# KiCad board ulx4m_panel.kicad_pcb (continued)
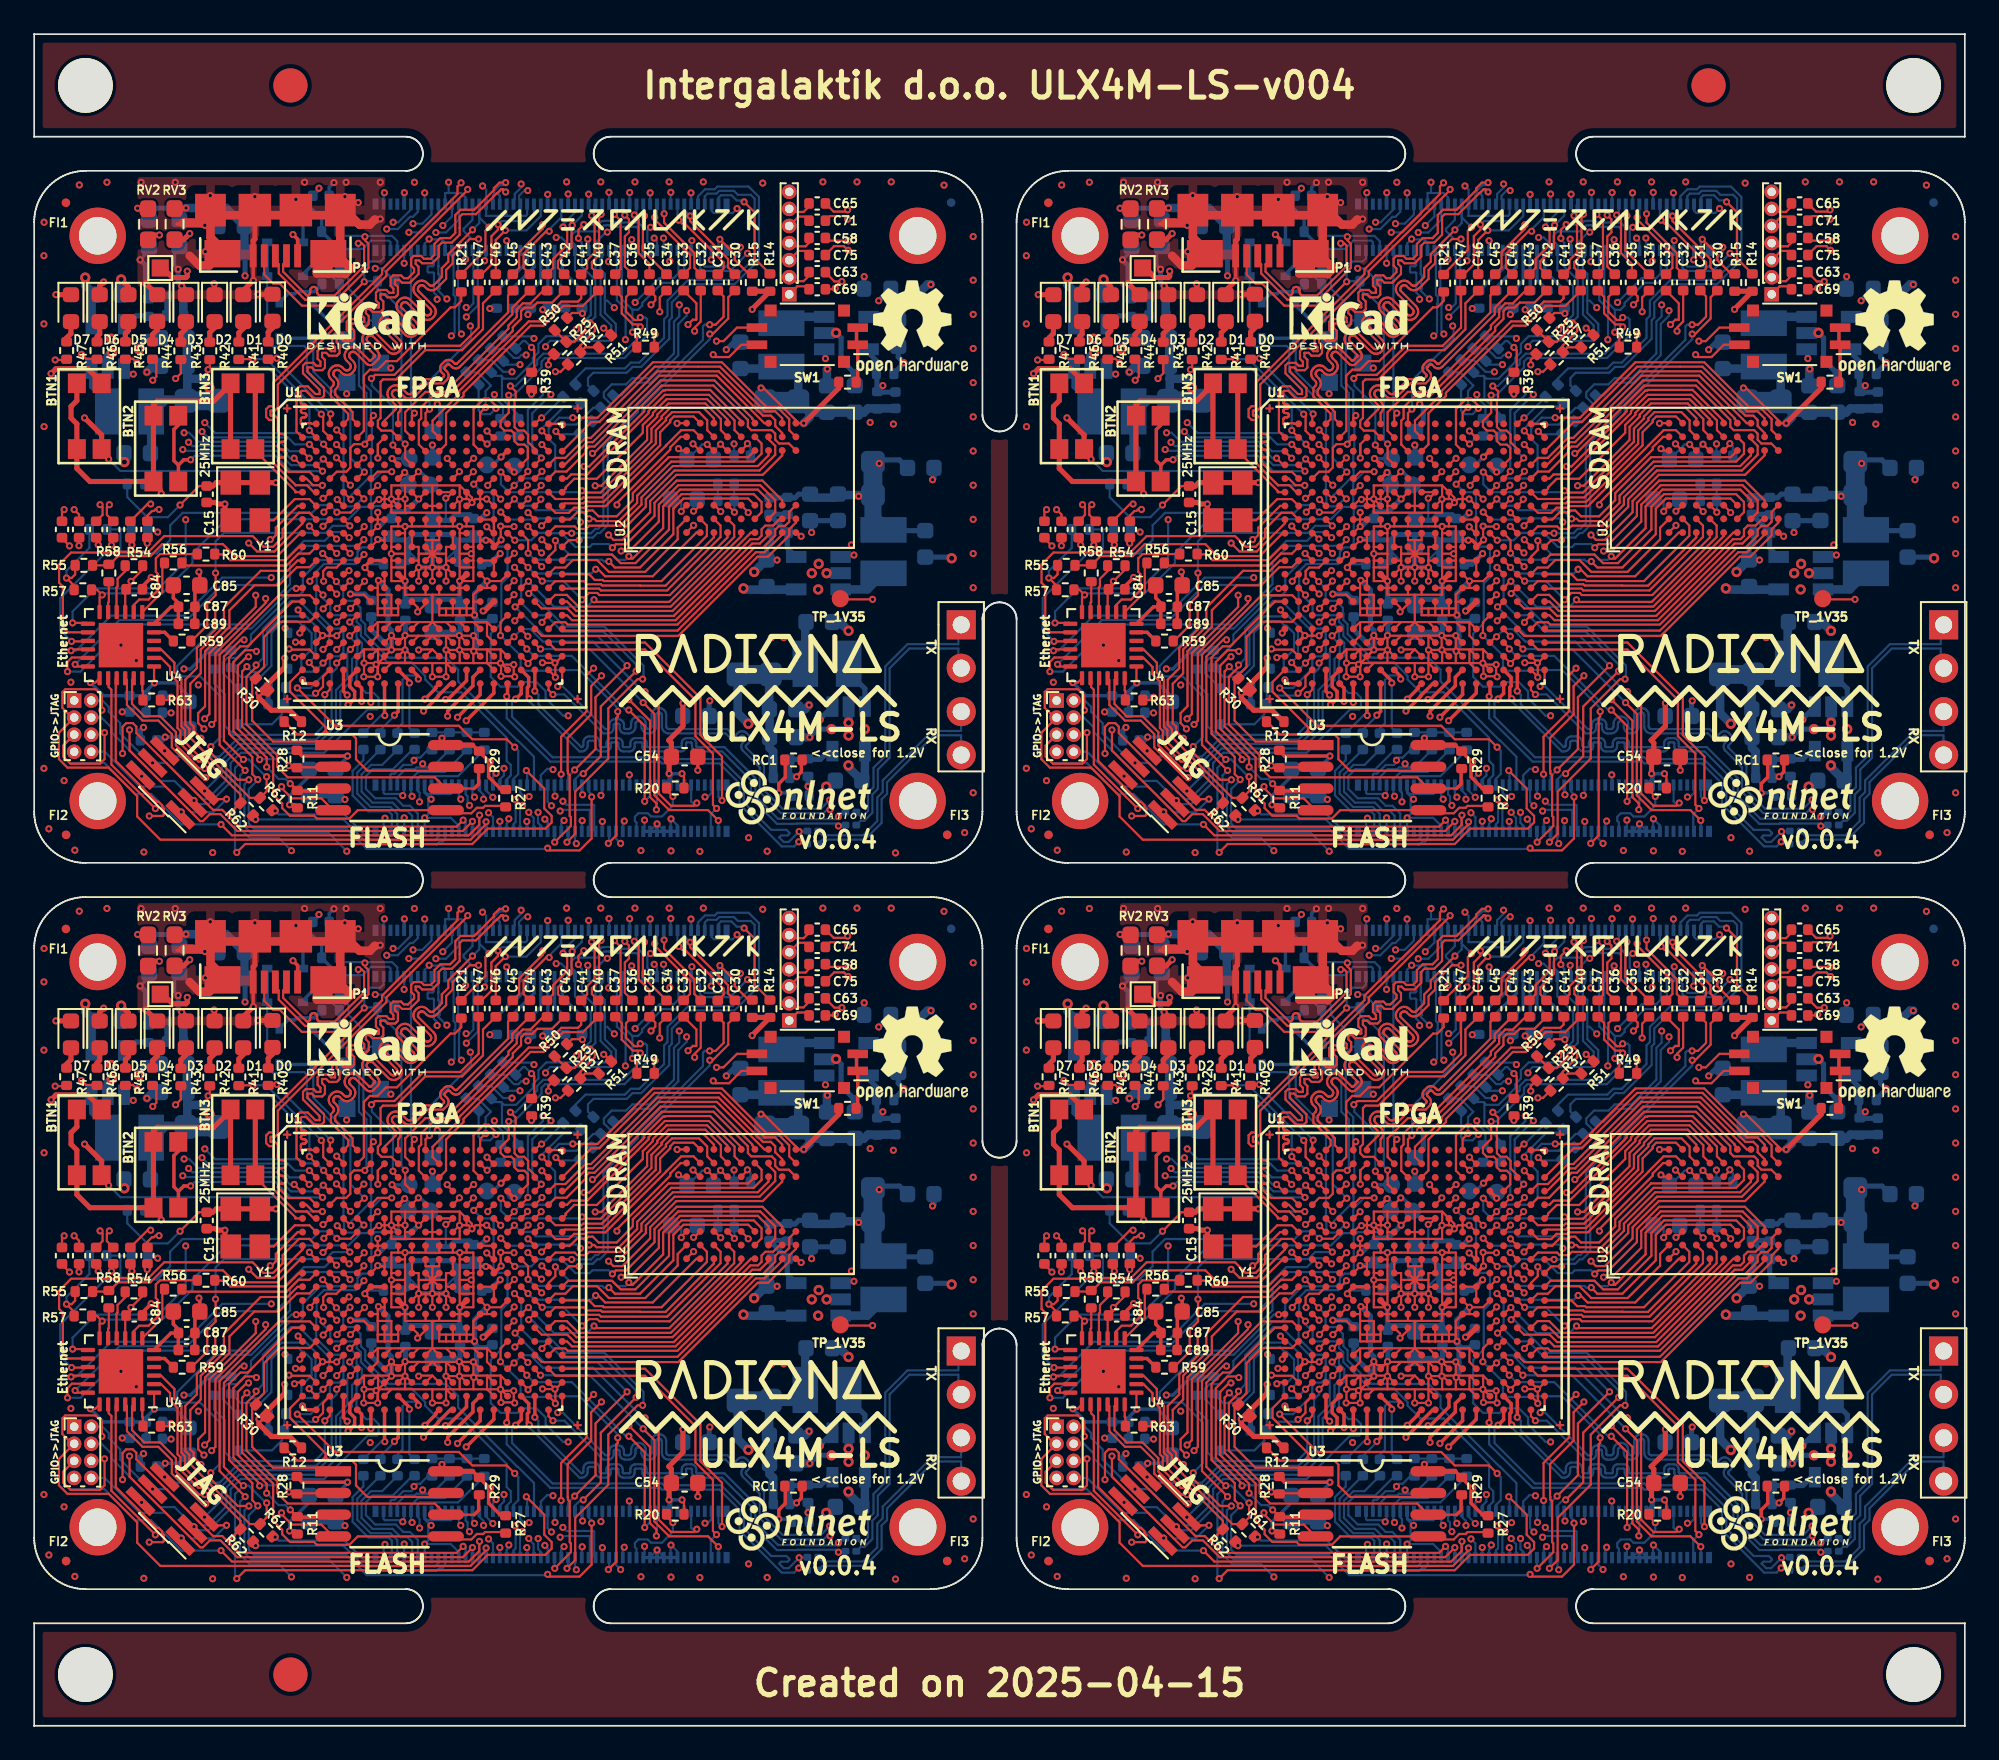
[diagram p0: board, top side]
## Routing (per net, layer and track width the routed paths; a pad name or vN(x,y) marks a point on that pad's centre or on a via; arc(x,y) is an arc through that point) (continued)
  Bottom w0.127: v1(83.17,45.05) 83.57,45.45 J2.30 83.57,45.77 v1(84.14,45.2)
Board_3-CAM0_D1_N: length 32
  Top w0.127: U1.B1 72.87,33.25 72.87,35.69 73.07,35.89 73.53,35.89 73.98,35.44 74.22,35.44 74.22,35.68 73.25,36.65 73.25,37.11 73.41,37.27 73.86,37.27 74.03,37.1 74.27,37.1 74.27,37.33 74.1,37.5 74.1,37.96 74.26,38.12 74.71,38.12 74.88,37.95 75.12,37.95 75.12,37.95 75.12,38.19 74.95,38.36 74.95,38.81 75.11,38.97 75.57,38.97 75.74,38.8 75.98,38.8 75.98,38.8 75.98,39.04 75.81,39.21 75.81,39.67 75.97,39.83 76.42,39.83 76.59,39.66 76.83,39.66 76.83,39.66 76.83,39.9 76.66,40.07 76.66,40.52 76.82,40.68 77.28,40.68 77.45,40.51 77.68,40.51 77.69,40.51 77.69,40.75 77.52,40.92 77.52,41.38 77.67,41.53 78.13,41.53 78.3,41.36 78.54,41.36 78.54,41.37 78.54,41.61 78.37,41.78 78.37,42.23 78.53,42.39 78.98,42.39 79.15,42.22 79.39,42.22 79.75,42.58 79.75,42.78 79.58,42.95 79.58,43.37 79.74,43.53 80.16,43.53 80.33,43.36 80.53,43.36 80.53,43.36 80.71,43.36 80.94,43.59 80.94,44.23 81.28,44.57 81.86,44.57 82.16,44.87 82.16,45.92 82.47,46.23 83.27,46.23 83.37,46.33 84.42,47.38 84.42,47.49 84.75,47.81 v1(85.11,47.81)
  Bottom w0.127: J2.34 84.37,47.05 84.44,47.12 84.44,47.34 84.77,47.67 84.96,47.67 v1(85.11,47.81)
Board_3-CAM0_D1_P: length 32
  Top w0.127: U1.A2 73.76,33.7 73.72,33.74 73.39,33.74 73.31,33.66 73.17,33.66 73.12,33.71 73.12,33.95 73.12,33.97 73.13,34 73.15,34.03 73.17,34.05 73.19,34.06 73.22,34.07 73.25,34.07 73.32,34.07 73.35,34.08 73.38,34.09 73.4,34.1 73.42,34.12 73.44,34.14 73.45,34.17 73.45,34.2 73.45,34.23 73.44,34.26 73.42,34.28 73.4,34.3 73.38,34.31 73.35,34.32 73.32,34.33 73.25,34.33 73.22,34.33 73.19,34.34 73.17,34.35 73.15,34.37 73.13,34.4 73.12,34.43 73.12,34.45 73.12,34.48 73.13,34.51 73.15,34.53 73.17,34.55 73.19,34.57 73.22,34.58 73.25,34.58 73.32,34.58 73.35,34.58 73.38,34.59 73.4,34.61 73.42,34.63 73.44,34.65 73.45,34.68 73.45,34.71 73.45,34.74 73.44,34.76 73.42,34.79 73.4,34.81 73.38,34.82 73.35,34.83 73.32,34.83 73.25,34.83 73.22,34.84 73.19,34.85 73.17,34.86 73.15,34.88 73.13,34.91 73.12,34.93 73.12,34.96 73.12,35.57 73.18,35.63 73.42,35.63 73.87,35.18 74.33,35.18 74.48,35.33 74.48,35.79 73.51,36.76 73.51,37 73.51,37 73.75,37 73.92,36.83 74.38,36.83 74.53,36.99 74.53,37.44 74.36,37.61 74.36,37.85 74.37,37.85 74.6,37.85 74.77,37.68 75.23,37.68 75.39,37.84 75.39,38.3 75.22,38.47 75.22,38.71 75.22,38.71 75.46,38.71 75.63,38.54 76.08,38.54 76.24,38.7 76.24,39.15 76.07,39.32 76.07,39.56 76.07,39.56 76.31,39.56 76.48,39.39 76.94,39.39 77.09,39.55 77.09,40.01 76.93,40.18 76.93,40.41 76.93,40.42 77.17,40.42 77.34,40.25 77.79,40.25 77.95,40.4 77.95,40.86 77.78,41.03 77.78,41.27 77.78,41.27 78.02,41.27 78.19,41.1 78.65,41.1 78.8,41.26 78.8,41.71 78.63,41.88 78.63,42.12 78.64,42.13 78.88,42.13 79.04,41.96 79.5,41.96 80.01,42.47 80.01,42.89 79.84,43.06 79.84,43.26 79.85,43.26 80.05,43.26 80.22,43.09 80.81,43.09 81.2,43.48 81.2,44.12 81.38,44.31 81.96,44.31 82.42,44.76 82.42,45.17 82.42,45.17 82.42,45.82 82.57,45.97 83.37,45.97 84.6,47.2 84.61,47.2 84.85,47.44 84.94,47.44 v1(85.11,47.27)
  Bottom w0.127: v1(85.11,47.27) 84.96,47.41 84.88,47.41 84.7,47.23 84.7,47.12 84.77,47.05 J2.36
Board_3-CAM1_C_N: length 20.3
  Top w0.127: v1(74.42,29.34) 74.46,29.34 U1.F3
  In2signal.Cu w0.127: v1(82.8,40.51) 82.5,40.51 79.98,37.98 79.98,36.2 77.56,33.78 76.89,33.78 75.93,32.82 75.93,32.33 75.92,32.3 75.91,32.27 75.9,32.25 75.88,32.23 75.85,32.21 75.83,32.21 75.8,32.2 75.61,32.2 75.58,32.2 75.55,32.19 75.53,32.17 75.51,32.15 75.49,32.13 75.48,32.1 75.48,32.08 75.48,32.05 75.49,32.02 75.51,32 75.53,31.98 75.55,31.96 75.58,31.95 75.61,31.95 75.8,31.95 75.83,31.95 75.85,31.94 75.88,31.92 75.9,31.9 75.91,31.88 75.92,31.85 75.93,31.82 75.41,31.3 75.4,31.3 75.39,31.29 75.38,31.29 75.37,31.29 75.36,31.29 75.35,31.3 75.33,31.31 75.32,31.32 75.31,31.32 75.3,31.32 75.29,31.32 75.28,31.31 75.27,31.3 75.16,31.2 75.15,31.19 75.15,31.18 75.14,31.17 75.14,31.15 75.15,31.14 75.15,31.13 75.17,31.12 75.17,31.11 75.17,31.1 75.17,31.08 75.17,31.07 75.17,31.06 75.16,31.05 75.05,30.95 75.04,30.94 75.03,30.93 75.02,30.93 75.01,30.93 75,30.93 74.99,30.94 74.97,30.95 74.96,30.96 74.95,30.96 74.94,30.96 74.93,30.96 74.92,30.95 74.91,30.95 74.8,30.84 74.79,30.83 74.79,30.82 74.79,30.81 74.79,30.8 74.79,30.78 74.79,30.77 74.81,30.76 74.81,30.75 74.81,30.74 74.81,30.72 74.81,30.71 74.81,30.7 74.8,30.7 74.8,29.84 74.42,29.46 v1(74.42,29.34)
  Bottom w0.127: v1(82.8,40.51) 82.98,40.51 83.22,40.75 83.22,43.79 J2.27
Board_3-CAM1_C_P: length 20.3
  Top w0.127: U1.G3 74.47,28.54 v1(74.47,28.53)
  In2signal.Cu w0.127: v1(82.81,39.95) 82.32,39.95 80.23,37.87 80.23,36.1 77.66,33.53 76.99,33.53 76.2,32.74 76.2,31.74 75.06,30.6 75.06,29.74 74.84,29.52 74.84,28.9 v1(74.47,28.53)
  Bottom w0.127: J2.29 83.48,43.75 83.48,40.62 v1(82.81,39.95)
Board_3-CAM1_D0_N: length 19.3
  Top w0.127: v1(75.22,33.34) 75.62,32.94 U1.B4
  In2signal.Cu w0.127: v1(81.1,40.99) 81.45,40.64 81.45,40.42 81.12,40.09 81.09,40.07 81.07,40.05 81.03,40.04 81,40.04 80.97,40.05 80.94,40.07 80.92,40.09 80.7,40.3 80.63,40.35 80.56,40.39 80.47,40.41 80.39,40.41 80.3,40.39 80.23,40.35 80.16,40.3 80.13,40.27 80.07,40.2 80.04,40.12 80.02,40.04 80.02,39.95 80.04,39.87 80.07,39.79 80.13,39.73 80.34,39.51 80.36,39.49 80.38,39.46 80.38,39.43 80.38,39.39 80.38,39.36 80.36,39.33 80.34,39.31 80.32,39.29 80.29,39.27 80.26,39.27 80.22,39.27 80.19,39.27 80.16,39.29 80.14,39.31 79.92,39.52 79.86,39.58 79.78,39.61 79.7,39.63 79.61,39.63 79.53,39.61 79.45,39.58 79.38,39.52 79.35,39.49 79.3,39.42 79.26,39.35 79.24,39.26 79.24,39.18 79.26,39.09 79.3,39.02 79.35,38.95 79.56,38.73 79.58,38.71 79.6,38.68 79.61,38.65 79.61,38.62 79.6,38.58 79.58,38.56 79.56,38.53 78.88,37.85 78.88,36.62 78.88,36.62 78.87,36.61 78.82,36.55 78.79,36.49 78.78,36.42 78.78,36.35 78.79,36.28 78.82,36.22 78.87,36.17 78.97,36.06 78.98,36.05 78.99,36.03 78.99,36.02 78.99,36 78.99,35.99 78.98,35.98 78.97,35.96 78.87,35.86 78.85,35.85 78.84,35.84 78.83,35.84 78.81,35.84 78.79,35.84 78.78,35.85 78.77,35.86 78.66,35.96 78.61,36.01 78.55,36.04 78.48,36.05 78.41,36.05 78.34,36.04 78.28,36.01 78.22,35.96 77.13,34.87 77.1,34.87 77.03,34.8 76.99,34.78 76.95,34.76 76.91,34.75 76.87,34.75 76.82,34.76 76.79,34.78 76.75,34.8 76.53,35.02 76.46,35.08 76.37,35.12 76.28,35.14 76.18,35.14 76.09,35.12 76,35.08 75.93,35.02 75.89,34.98 75.83,34.91 75.79,34.82 75.77,34.73 75.77,34.63 75.79,34.54 75.83,34.45 75.89,34.38 76.11,34.16 76.13,34.12 76.15,34.08 76.16,34.04 76.16,34 76.15,33.96 76.13,33.92 76.11,33.88 75.57,33.34 v1(75.22,33.34)
  Bottom w0.127: v1(81.1,40.99) 81.1,41.19 80.91,41.38 80.91,42.52 80.87,42.56 80.59,42.56 80.54,42.61 80.54,42.88 80.58,42.92 80.84,42.92 80.91,42.99 80.91,43.21 80.77,43.35 J2.15
Board_3-CAM1_D0_P: length 20.4
  Top w0.127: U1.C4 75.6,32.1 v1(75.21,32.49)
  In2signal.Cu w0.127: v1(75.21,32.49) 75.42,32.7 75.42,32.83 76.29,33.7 76.31,33.72 76.37,33.79 76.41,33.88 76.43,33.97 76.43,34.07 76.41,34.16 76.37,34.25 76.31,34.32 76.09,34.54 76.07,34.58 76.05,34.61 76.04,34.66 76.04,34.7 76.05,34.74 76.07,34.78 76.09,34.82 76.13,34.84 76.17,34.86 76.21,34.87 76.25,34.87 76.29,34.86 76.33,34.84 76.37,34.82 76.59,34.6 76.66,34.54 76.75,34.5 76.84,34.48 76.94,34.48 77.03,34.5 77.12,34.54 77.19,34.6 77.21,34.62 77.21,34.62 77.25,34.62 78.39,35.76 78.41,35.77 78.42,35.78 78.43,35.78 78.45,35.78 78.47,35.78 78.48,35.77 78.49,35.76 78.6,35.66 78.65,35.62 78.71,35.58 78.78,35.57 78.85,35.57 78.92,35.58 78.98,35.62 79.04,35.66 79.17,35.79 79.21,35.85 79.25,35.91 79.26,35.98 79.26,36.05 79.25,36.11 79.21,36.18 79.17,36.23 79.07,36.34 79.06,36.35 79.05,36.36 79.05,36.38 79.05,36.4 79.05,36.41 79.06,36.42 79.07,36.44 79.14,36.51 79.14,37.14 79.14,37.17 79.15,37.2 79.16,37.22 79.18,37.24 79.21,37.26 79.24,37.26 79.26,37.27 79.56,37.27 79.59,37.27 79.62,37.28 79.64,37.3 79.66,37.32 79.67,37.34 79.68,37.37 79.69,37.39 79.68,37.42 79.67,37.45 79.66,37.47 79.64,37.49 79.62,37.51 79.59,37.52 79.56,37.52 79.26,37.52 79.24,37.53 79.21,37.53 79.18,37.55 79.16,37.57 79.15,37.59 79.14,37.62 79.14,37.65 79.14,37.73 79.77,38.36 79.82,38.43 79.86,38.51 79.88,38.59 79.88,38.68 79.86,38.76 79.82,38.84 79.77,38.9 79.55,39.12 79.53,39.14 79.52,39.17 79.51,39.2 79.51,39.24 79.52,39.27 79.53,39.3 79.55,39.32 79.58,39.34 79.61,39.36 79.64,39.36 79.67,39.36 79.7,39.36 79.73,39.34 79.75,39.32 79.97,39.11 80.04,39.05 80.11,39.02 80.2,39 80.28,39 80.37,39.02 80.44,39.05 80.51,39.11 80.54,39.14 80.6,39.21 80.63,39.28 80.65,39.37 80.65,39.45 80.63,39.54 80.6,39.61 80.54,39.68 80.33,39.9 80.31,39.92 80.29,39.95 80.29,39.98 80.29,40.01 80.29,40.05 80.31,40.07 80.33,40.1 80.35,40.12 80.38,40.13 80.41,40.14 80.45,40.14 80.48,40.13 80.51,40.12 80.53,40.1 80.75,39.88 80.81,39.83 80.89,39.79 80.98,39.77 81.06,39.77 81.14,39.79 81.22,39.83 81.29,39.88 81.76,40.36 81.76,40.91 v1(81.67,41.01)
  Bottom w0.127: J2.17 81.17,43.4 81.17,43.37 81.17,42.95 81.18,42.95 81.17,42.92 81.17,42.89 81.17,42.5 81.17,42.48 81.18,42.45 81.2,42.42 81.22,42.4 81.24,42.39 81.24,42.11 81.22,42.1 81.2,42.08 81.18,42.05 81.17,42.02 81.17,42 81.17,41.97 81.18,41.94 81.2,41.92 81.22,41.9 81.24,41.88 81.24,41.6 81.22,41.59 81.2,41.57 81.18,41.54 81.17,41.52 81.17,41.49 81.65,41.01 v1(81.67,41.01)
Board_3-CAM1_D1_N: length 21.4
  Top w0.127: U1.D5 76.42,31.32 v1(76.81,31.71)
  In2signal.Cu w0.127: v1(81.93,38.85) 82.26,38.52 82.26,37.77 82.26,37.77 82.24,37.76 82.21,37.74 82.19,37.74 82.16,37.74 82.14,37.74 82.11,37.76 82.09,37.77 81.99,37.88 81.92,37.93 81.85,37.96 81.78,37.98 81.7,37.98 81.62,37.96 81.55,37.93 81.49,37.88 81.44,37.83 81.39,37.77 81.36,37.7 81.34,37.62 81.34,37.54 81.36,37.47 81.39,37.39 81.44,37.33 81.72,37.05 81.72,37.05 81.98,36.78 82,36.76 82.01,36.74 82.02,36.71 82.02,36.69 82.01,36.66 82,36.64 81.98,36.62 81.97,36.6 81.95,36.59 81.92,36.57 81.9,36.57 81.87,36.57 81.85,36.57 81.82,36.59 81.8,36.6 81.26,37.15 81.19,37.2 81.12,37.23 81.05,37.25 80.97,37.25 80.89,37.23 80.82,37.2 80.76,37.15 80.71,37.1 80.66,37.04 80.63,36.97 80.61,36.89 80.61,36.81 80.63,36.74 80.66,36.66 80.71,36.6 80.79,36.53 80.79,36.53 80.85,36.47 80.85,36.21 81.56,35.5 81.56,34.32 80.66,33.42 78.41,33.42 78.41,33.42 78.38,33.4 78.36,33.39 78.33,33.39 78.3,33.39 78.28,33.39 78.25,33.4 78.23,33.42 78.2,33.45 78.18,33.47 78.15,33.48 78.12,33.49 78.1,33.49 78.07,33.48 78.04,33.47 78.02,33.45 78,33.43 77.99,33.4 77.98,33.37 77.98,33.34 77.99,33.32 78,33.29 78.02,33.27 78.05,33.24 78.07,33.22 78.08,33.19 78.08,33.17 78.08,33.14 78.08,33.11 78.07,33.09 78.05,33.06 78.03,33.05 78,33.03 77.97,33.03 77.94,33.03 77.92,33.03 77.89,33.05 77.87,33.06 77.7,33.23 77.68,33.25 77.65,33.26 77.62,33.27 77.6,33.27 77.57,33.26 77.54,33.25 77.52,33.23 77.5,33.21 77.49,33.18 77.48,33.16 77.48,33.13 77.49,33.1 77.5,33.07 77.52,33.05 77.69,32.88 77.71,32.86 77.72,32.84 77.72,32.81 77.72,32.78 77.72,32.75 77.71,32.73 77.69,32.7 77.61,32.62 77.6,32.61 77.58,32.61 77.57,32.6 77.55,32.6 77.54,32.61 77.52,32.61 77.5,32.63 77.48,32.64 77.47,32.64 77.45,32.64 77.44,32.64 77.42,32.63 77.41,32.62 77.33,32.55 77.32,32.53 77.31,32.52 77.31,32.5 77.31,32.49 77.31,32.47 77.32,32.46 77.34,32.43 77.35,32.42 77.35,32.4 77.35,32.39 77.35,32.37 77.34,32.36 77.33,32.34 76.81,31.83 v1(76.81,31.71)
  Bottom w0.127: J2.21 82.06,43.75 82.06,41.24 82.16,41.14 82.16,40.77 82.12,40.72 82.12,39.04 v1(81.93,38.85)
Board_3-CAM1_D1_P: length 22.3
  Top w0.127: U1.E4 75.63,30.5 v1(76.02,30.11)
  In2signal.Cu w0.127: v1(76.02,30.11) 76.43,30.52 76.43,31.23 76.48,31.28 76.94,31.28 76.98,31.32 77.23,31.32 77.23,31.87 78.54,33.18 80.76,33.18 81.8,34.22 81.8,35.6 81.12,36.28 81.12,36.45 81.1,36.53 81.07,36.6 81.02,36.66 80.91,36.77 80.89,36.79 80.88,36.81 80.88,36.84 80.88,36.87 80.88,36.89 80.89,36.91 80.91,36.93 80.92,36.95 80.94,36.97 80.97,36.98 80.99,36.98 81.02,36.98 81.04,36.98 81.07,36.97 81.09,36.95 81.64,36.4 81.7,36.35 81.77,36.32 81.85,36.3 81.93,36.3 82,36.32 82.07,36.35 82.14,36.4 82.18,36.45 82.23,36.51 82.27,36.58 82.28,36.66 82.28,36.74 82.27,36.82 82.23,36.89 82.18,36.95 81.9,37.23 81.9,37.23 81.64,37.5 81.62,37.52 81.61,37.54 81.61,37.57 81.61,37.6 81.61,37.62 81.62,37.64 81.64,37.66 81.65,37.68 81.67,37.7 81.7,37.71 81.72,37.71 81.75,37.71 81.77,37.71 81.8,37.7 81.82,37.68 81.93,37.57 81.99,37.52 82.06,37.49 82.14,37.47 82.22,37.47 82.29,37.49 82.36,37.52 82.43,37.57 82.44,37.59 82.44,37.59 82.52,37.67 v1(82.52,38.96)
  Bottom w0.127: v1(82.52,38.96) 82.38,39.1 82.38,40.61 82.42,40.65 82.42,41.25 82.32,41.35 82.32,43.8 J2.23
Board_3-Camera_GPIO: length 18.4
  Top w0.127: v1(97.45,11.19) 97.24,11.4 97.24,14.39 96.22,15.42 96.22,17.54 93.27,20.49 88.03,20.49 U1.U19
  Bottom w0.127: J1#3.97 97.12,9.89 97.12,10.85 v1(97.45,11.19)
Board_3-CLK_25MHz: length 4
  Top w0.127: Y1#3.3 71.53,28.06 72.77,29.29 73.62,29.29 U1.G2
Board_3-CM4_1.8V: length 0.4
  Bottom w0.127: J1#3.88 J1#3.90
Board_3-CM4_3.3V: length 246.7
  Top w0.127: U1.L15 84.42,25.73 v1(84.79,26.1) ; U1.L15 U1.L14 ; U1.L15 U1.M15 ; U1.T2 74.39,21.33 v1(74.39,21.31) ; U4#4.9 62.84,23.97 C84.1 63.17,24.3 v1(63.17,24.48) 63.86,25.17 R54#3.2 ; 74.43,21.31 74.43,21.31 v1(74.39,21.31) ; U1.P10 80.42,23.16 v3(79.96,22.7) 79.96,22.96 U1.P9 ; U1.M6 77.22,24.94 v3(76.87,25.29) ; U1.T4 v1(75.22,21.3) 74.82,21.3 ; v1(98.5,28.53) 98.5,28.54 U2#4.D3 ; v3(81.38,15.31) 81.38,15.13 U3#3.8 ; 74.82,21.3 74.4,21.3 v1(74.39,21.31) ; 74.82,21.3 U1.T3 ; U2#4.A9 95.16,33.74 v1(95.15,33.73) ; v3(81.61,29.35) 81.67,29.35 U1.F12 U1.F11 ; U1.H14 U1.H15 U1.J15 84.38,27.3 v1(84.01,27.67) ; R20#3.2 95.55,13.11 v3(95.43,13.22) ; R57#3.1 59.85,24.23 v1(59.4,24.68) 59.7,24.68 59.91,24.89 R55#4.1 ; C15#4.1 67.16,30.06 v3(66.05,28.95) ; v1(99.26,32.54) 99.26,32.5 U2#4.E7 ; v3(100.06,35.8) 100.21,35.8 102.1,33.91 U2#4.J9 v1(102.56,33.74) ; U2#4.A7 95.34,32.14 v1(95.23,32.24) ; 84.1,13.74 84.21,13.85 v1(84.21,13.9) ; U2#4.C7 97.27,32.14 v1(96.91,32.5) ; v1(96.11,28.59) 96.15,28.59 U2#4.B3 ; J3#2.2 v1(63.8,13.08) ; 94.74,14.22 C54#2.1 ; 74.45,21.33 74.42,21.36
  Top w0.2: U1.L7 U1.L6 76.87,25.35 v3(76.87,25.29) ; v1(84.21,13.9) 84.18,13.9 83.18,14.9 ; v3(75.85,14.26) 73.2,14.26 72.89,14.56 ; 84.13,13.72 84.11,13.7 84.11,13.03 84.88,12.27 85.11,12.27 ; 72.92,11.25 72.76,11.4 v3(72.46,11.4) ; U1.U2 74.02,20.94 v1(74.39,21.31)
  Top w0.3: 83.18,14.9 U3#3.8 ; v1(74.39,21.31) 74.43,21.31 74.45,21.33 ; 70.63,17.92 v1(70.67,17.95) ; v1(70.67,17.95) 71.05,17.95 71.19,18.1 ; v1(70.67,17.95) 72.18,19.47 v1(72.18,19.99) ; v1(70.67,17.95) 70.67,17.66 71.39,16.94 72.46,16.94 73.13,16.27 ; R70#4.1 104.61,35.79 v1(102.56,33.74) ; v3(94.68,13.23) 94.68,14.09 C54#2.1 94.81,15.03 94.66,15.18 95.49,16.01 v1(95.49,17.35) ; C15#4.1 67.97,30.06 68.17,30.26 Y1#3.1 Y1#3.4 71.66,30.26 v1(71.66,30.25) ; v1(66.62,44.83) 66.26,44.47 RV3.2
  POWER.Cu w0.127: v1(95.15,33.73) 95.15,36.06 95.18,36.1 ; v3(79.96,22.7) 78.14,24.52 78.14,24.92 77.99,25.07 77.09,25.07 v3(76.87,25.29) ; v1(59.4,24.68) 59.7,24.38 63.07,24.38 v1(63.17,24.48)
  POWER.Cu w0.2: 94.11,13.25 94.35,13.25 94.36,13.26 94.65,13.26 v3(94.68,13.23) 94.68,13.22 v3(95.43,13.22) ; 73.35,25.69 73.32,25.72 72,25.72 ; 70.76,25.72 70.44,26.03 70.44,26.37 ; v3(100.06,35.8) 99.76,36.1 90.89,36.1 87.89,39.1 87.53,39.1 87.28,39.35 v3(87.28,40.38) 86.27,39.37 84.56,39.37 82.47,37.28 80.84,37.28 77.48,40.64 v1(77.48,42.8) 77.48,45.36 76.77,46.07 75.6,46.07 v1(74.18,47.49)
  POWER.Cu w0.3: v1(74.39,21.31) 74.4,21.3 v1(75.22,21.3) ; v3(100.06,35.8) 103,38.74 103,39.34 103.54,39.88 104.86,39.88 106.1,41.12 v3(106.1,42.32) ; v3(75.85,14.26) 76.8,13.31 83.62,13.31 v1(84.21,13.9) 84.42,14.11 93.25,14.11 94.11,13.25 ; v3(75.85,14.26) 73,11.4 v3(72.46,11.4) 72.33,11.53 71.38,11.53 71.09,11.24 67.13,11.24 66.85,10.96 64.72,13.08 v1(63.8,13.08) 63.8,14.55 64.62,15.37 v1(65.18,15.37) ; v3(75.85,14.26) 74.06,14.26 70.67,17.65 v1(70.67,17.95) 69.65,16.94 67.2,16.94 66.28,17.86 v1(66.28,19.36) ; 72.2,19.77 72.2,19.97 v1(72.18,19.99) ; 72,25.55 72,25.72 ; 72,25.55 72,23.92 72.33,23.59 72.33,23.47 73.02,23.47 73.6,22.89 ; 72,25.55 71.22,25.55 71.05,25.71 70.81,25.71 70.76,25.77 70.62,25.77 70.36,26.03 70.36,26.29 70.44,26.37 ; 76.77,46.07 73.98,43.28 68.75,43.28 67.19,44.83 v1(66.62,44.83) ; v1(84.01,27.67) 84.01,28.49 v1(84,28.5) ; 73.35,25.69 74.01,25.69
  POWER.Cu w0.5: v1(74.39,21.31) 73.6,22.1 73.6,22.89
  Bottom w0.127: 71.2,18.27 R31.1 ; v1(95.23,32.24) 95.73,31.75 C78#2.1 95.74,31.62 96.62,32.5 v1(96.91,32.5) ; v3(66.05,28.95) 65.34,28.24 64.13,28.24 62.96,29.41 R18#2.2 ; v3(76.87,25.29) 77.06,25.48 C14#2.1 ; v1(77.48,42.8) 77.88,42.8 R19#2.2 ; v1(99.26,32.54) 99.44,32.36 C80#2.1 ; J1#3.84 J1#3.86 ; R67.2 R66.2 ; R67.2 81.71,15.64 v3(81.38,15.31) ; R67.2 R65#4.2 R64#3.2 ; RP3#3.2 100.06,35.26 v3(100.06,35.8) ; v1(96.11,28.59) 96.12,28.59 96.33,28.79 C82#2.1 ; v1(59.4,24.68) 59.4,25.1 60.75,26.45 60.74,26.46 R53#2.1 ; v1(98.5,28.53) 98.5,29.18 C81#4.1 C79#3.1 ; v3(81.61,29.35) 81.61,28.05 ; 84.03,25.48 C13.1
  Bottom w0.2: R8#3.1 88.57,40.47 R16.1 87.37,40.47 v3(87.28,40.38) ; C18#4.1 74.18,47.41 v1(74.18,47.49) ; FB1.1 66.45,15.86 65.96,15.37 v1(65.18,15.37) ; J1#3.84 94.68,12.87 v3(94.68,13.23) ; v3(72.46,11.4) 72.46,11.93 73.59,13.06 C50#2.1 ; C51.1 75.85,14.2 v3(75.85,14.26) ; J1#3.86 94.77,13.09 94.9,13.22 v3(95.43,13.22) ; v1(66.28,19.36) 66.66,19.36 67.72,20.42 69.04,20.42
  Bottom w0.3: v3(106.1,42.32) 106.08,42.3 C52.1 ; v1(84,28.5) 83.66,28.16 C25.1 83.02,28.38 82.15,28.38 81.83,28.05 C20#2.1 ; C16#4.1 95.48,17.33 v1(95.49,17.35) ; C99.2 71.2,18.27 ; v1(70.67,17.95) 70.99,18.28 R31.1 ; 84.03,25.48 84.17,25.48 v1(84.79,26.1) ; C21#2.1 64.99,15.18 v1(65.18,15.37) ; C50#2.1 C51.1
  Bottom w0.5: 102.9,34.36 106.07,34.36 106.32,34.6 C6#4.1 ; 102.9,34.36 102.9,34.07 v1(102.56,33.74) ; 102.9,34.36 RP3#3.1 102.24,36.43 101.62,37.05 L3#2.2 ; C24#4.1 101.07,36.93 101.25,36.75
Board_3-DSI0_C_N: length 20.9
  Top w0.127: R39#3.1 86.79,36.87 86.79,38.01 v1(86.62,38.17)
  In2signal.Cu w0.127: v1(92.12,38.62) 87.27,38.62 86.81,38.17 v1(86.62,38.17)
  POWER.Cu w0.127: v1(92.12,38.62) 92.13,38.63 92.13,40.25 v1(92.69,40.81)
  Bottom w0.127: 91.57,43.7 91.62,43.64 91.62,40.92 92.13,40.41 92.13,38.61 ; R38#3.2 86.13,38.55 86.25,38.55 v1(86.62,38.17) ; J2.87 95.22,43.79 95.22,42.5 94.95,42.23 94.11,42.23 v1(92.69,40.81)
Board_3-DSI0_C_P: length 20.5
  Top w0.127: v1(92.53,39.06) 92.79,38.8 R49#4.1
  In2signal.Cu w0.127: v1(92.53,39.06) 92.24,39.06 90.48,40.81 88.88,40.81 v1(86.77,38.7)
  Bottom w0.127: v1(86.77,38.7) 86.65,38.82 R26.1 ; 92.53,40.37 91.91,40.99 91.91,43.64 91.97,43.7 ; 92.53,40.37 92.86,40.37 93.09,40.6 93.1,40.6 93.1,40.77 94.28,41.95 95.05,41.95 95.57,42.46 J2.89 ; 92.53,40.37 v1(92.53,39.06)
Board_3-DSI0_D0_N: length 16.3
  Top w0.127: R51#4.1 89.76,38.18 R37#2.2 89.48,38.28 90.33,39.13 90.33,39.52 90.1,39.75 89.77,39.75 v1(89.25,39.23)
  Bottom w0.127: J2.75 92.86,43.94 92.86,44.33 92.89,44.36 92.89,45.09 92.76,45.23 91.35,45.23 91.28,45.3 91.18,45.3 91.15,45.33 91.01,45.33 90.99,45.31 90.85,45.31 90.5,44.96 89.18,44.96 88.95,44.73 88.95,44.38 89.17,44.17 J2.57 ; 89.17,43.7 89.17,42.69 90.09,41.77 90.09,40.07 v1(89.25,39.23)
Board_3-DSI0_D0_P: length 14.3
  Top w0.127: R50#4.1 87.98,39.18 R25#4.1 89.13,38.5 v1(89.92,39.28) ; v1(89.37,44.56) 89.37,45.05 v1(89.68,45.36)
  Bottom w0.127: v1(89.92,39.28) 89.92,39.52 90.36,39.97 90.36,42.12 89.57,42.91 89.57,43.7 ; v1(89.37,44.56) 89.37,44.5 89.57,44.3 J2.59 ; v1(89.68,45.36) 90.55,45.36 90.75,45.57 90.89,45.57 90.9,45.58 91.26,45.58 91.29,45.55 91.39,45.55 91.46,45.48 92.87,45.48 93.15,45.2 93.15,43.87 J2.77
Board_3-DSI0_D1_N: length 22.3
  In2signal.Cu w0.127: v1(91.06,44.92) 91.55,45.41 92.81,45.41 93.65,44.57 v1(93.8,44.57)
  Bottom w0.127: 84.85,36.51 85.02,36.34 85.72,36.34 86.7,37.33 86.7,37.55 87.03,37.88 87.03,38.37 87.49,38.83 91.23,38.83 91.29,38.89 91.29,39.45 90.67,40.08 90.67,42.37 90.37,42.67 90.37,43.7 ; 84.85,36.51 84.47,36.51 R36#4.2 ; 84.85,36.51 84.89,36.46 84.89,35.18 85.83,34.24 R48.1 ; v1(91.06,44.92) 90.98,44.92 90.37,44.3 J2.63 ; v1(93.8,44.57) 93.97,44.4 J2.81
Board_3-DSI0_D1_P: length 28.7
  In2signal.Cu w0.127: v1(87.45,38.21) 87.45,38 86.19,36.74 v1(85.48,36.74) 85.15,36.74 84.45,36.05 v1(84.45,35.41) ; v1(94.35,44.57) 94.35,44.09 93.71,44.09 92.69,45.11 91.85,45.11 90.53,43.79 90.53,41.44 v1(91.47,40.5)
  Bottom w0.127: v1(94.35,44.57) 94.37,44.55 J2.83 ; v1(85.48,36.74) 84.96,36.74 84.28,37.43 R24#3.1 ; v1(84.45,35.41) 84.45,35.26 84.96,34.75 84.96,34.14 R52#2.1 ; 90.92,40.91 90.92,40.19 91.56,39.55 91.56,38.8 91.32,38.56 87.72,38.56 87.45,38.28 v1(87.45,38.21) ; 90.92,40.91 90.92,42.48 90.66,42.74 90.66,43.35 90.77,43.46 90.77,43.7 ; 90.92,40.91 91.06,40.91 v1(91.47,40.5)
Board_3-DSI1_D2_N: length 21.5
  In2signal.Cu w0.127: v1(99.27,43.68) 99.46,43.49 99.46,41.93 98.4,40.87 95.48,40.87 v1(95.27,40.66)
  Bottom w0.127: v1(99.27,43.68) 98.24,42.64 96.67,42.64 96.49,42.83 96.49,43.41 96.37,43.54 J2.93 ; v1(95.27,40.66) 95.27,39.99 94.96,39.68 94.96,37.82 93.51,36.37 92.52,36.37 92.16,36.01 91.32,36.01 90.86,35.54 90.86,35.26 91.24,34.87 91.24,34.47 90.62,33.85 R34#4.2
Board_3-DSI1_D2_P: length 19.1
  In2signal.Cu w0.127: v1(98.85,44.03) 99.06,44.24 99.42,44.24 99.71,43.95 99.71,41.82 98.5,40.61 95.99,40.61 v1(95.7,40.32)
  Bottom w0.127: v1(95.7,40.32) 95.7,40.03 95.22,39.54 95.22,37.71 93.61,36.11 92.63,36.11 91.88,35.36 R22.1 ; J2.95 96.74,43.82 96.74,42.93 96.78,42.9 98.01,42.9 98.85,43.74 v1(98.85,44.03)
Board_3-DSI1_D3_N: length 23.1
  Bottom w0.127: J2.94 96.37,47.01 96.78,47.43 97.35,47.43 97.51,47.58 99.33,47.58 99.94,46.98 99.94,43.3 98.51,41.87 95.9,41.87 94.84,40.8 94.84,39.91 94.69,39.76 94.69,38.67 93.04,37.03 92.54,37.03 92.2,36.69 90.24,36.69 89.93,36.38 89.93,35.95 R35#4.2
Board_3-DSI1_D3_P: length 22.1
  Bottom w0.127: J2.96 96.77,47.01 96.93,47.17 97.45,47.17 97.61,47.33 98.48,47.33 98.71,47.1 99.46,47.1 99.69,46.87 99.69,43.4 98.4,42.12 95.79,42.12 94.58,40.91 94.58,40.02 94.38,39.82 94.38,38.73 92.94,37.28 92.44,37.28 92.1,36.94 89.79,36.94 89.2,36.35 R23#4.1
Board_3-ETH_0N: length 30.3
  Top w0.127: v1(64.6,11.18) 62.03,13.75 62.03,18.14 61.87,18.3 61.87,18.78 U4#4.20
  In2signal.Cu w0.127: v1(79.63,11.9) 79.63,11.61 79.34,11.31 72.97,11.31 72.24,10.59 71.36,10.59 70.75,11.2 67.24,11.2 66.63,10.59 65.94,10.59 65.35,11.18 v1(64.6,11.18)
  Bottom w0.127: R65#4.1 81.56,13.33 80,13.33 79.57,12.9 J1#3.10 79.57,11.97 v1(79.63,11.9)
Board_3-ETH_0P: length 33.2
  Top w0.127: v1(64.25,10.75) 65.03,10.75 65.1,10.81 65.1,11.16 65,11.26 65,11.38 64.8,11.58 64.68,11.58 62.28,13.97 62.28,18.75 U4#4.21
  In2signal.Cu w0.127: v1(80.07,11.58) 79.55,11.06 73.07,11.06 72.34,10.33 71.25,10.33 70.64,10.95 67.35,10.95 66.74,10.33 65.83,10.33 65.39,10.78 64.28,10.78 v1(64.25,10.75)
  Bottom w0.127: R64#3.1 82.32,13.08 80.1,13.08 79.97,12.94 J1#3.12 79.97,12.21 80.07,12.11 v1(80.07,11.58)
Board_3-ETH_1N: length 27.2
  Top w0.127: U4#4.22 62.94,18.71 62.94,17.24 63.85,16.33 64.78,16.33 65.57,15.54 65.57,14.76 67.35,12.99 v1(67.55,12.99)
  In2signal.Cu w0.127: v1(80.25,13.8) 80.17,13.8 78.77,12.41 73.51,12.41 72.91,11.81 71.3,11.81 70.91,12.2 68.72,12.2 67.93,12.99 v1(67.55,12.99)
  Bottom w0.127: v1(80.25,13.8) 80.47,13.58 80.75,13.58 ; J1#3.6 78.77,13.01 79.24,13.48 79.79,13.48 79.89,13.58 80.75,13.58 ; 80.75,13.58 80.79,13.58 R67.1
Board_3-ETH_1P: length 25.4
  Top w0.127: v1(67.49,13.53) 67.16,13.53 65.81,14.88 65.81,15.66 64.88,16.59 63.96,16.59 63.24,17.3 63.24,18.71 U4#4.23
  In2signal.Cu w0.127: v1(67.49,13.53) 67.79,13.53 68.86,12.46 71.19,12.46 71.58,12.06 72.76,12.06 73.36,12.66 78.69,12.66 79.75,13.72 v1(79.75,14.01)
  Bottom w0.127: 79.84,13.99 79.59,13.73 79.12,13.73 78.61,13.23 78.43,13.23 78.37,13.16 J1#3.4 ; R66.1 80.56,14.62 80.11,14.17 79.9,14.17 v1(79.75,14.01)
Board_3-ETH_2N: length 8.2
  Bottom w0.127: C73#4.2 77.88,13.73 77.23,13.73 76.68,13.18 76.68,12.17 77.31,11.53 78.49,11.53 78.98,11.04 79.36,11.04 79.64,10.76 79.64,9.92 J1#3.9
Board_3-ETH_2P: length 8.6
  Bottom w0.127: 79.66,14.64 78.5,13.48 77.33,13.48 76.93,13.08 76.93,12.33 77.48,11.78 78.68,11.78 79.12,11.35 79.51,11.35 79.97,10.89 79.97,10
Board_3-ETH_3N: length 6.8
  Bottom w0.127: 77.77,14.64 76.42,13.29 76.42,12.06 77.21,11.27 78.36,11.27 78.77,10.87 78.77,10
